# Allegro board RK3588S_Template_LP4XD200P232SD8H2_31X31_2133MHz_H1R0_V11_20220218YWQ.brd (continued)
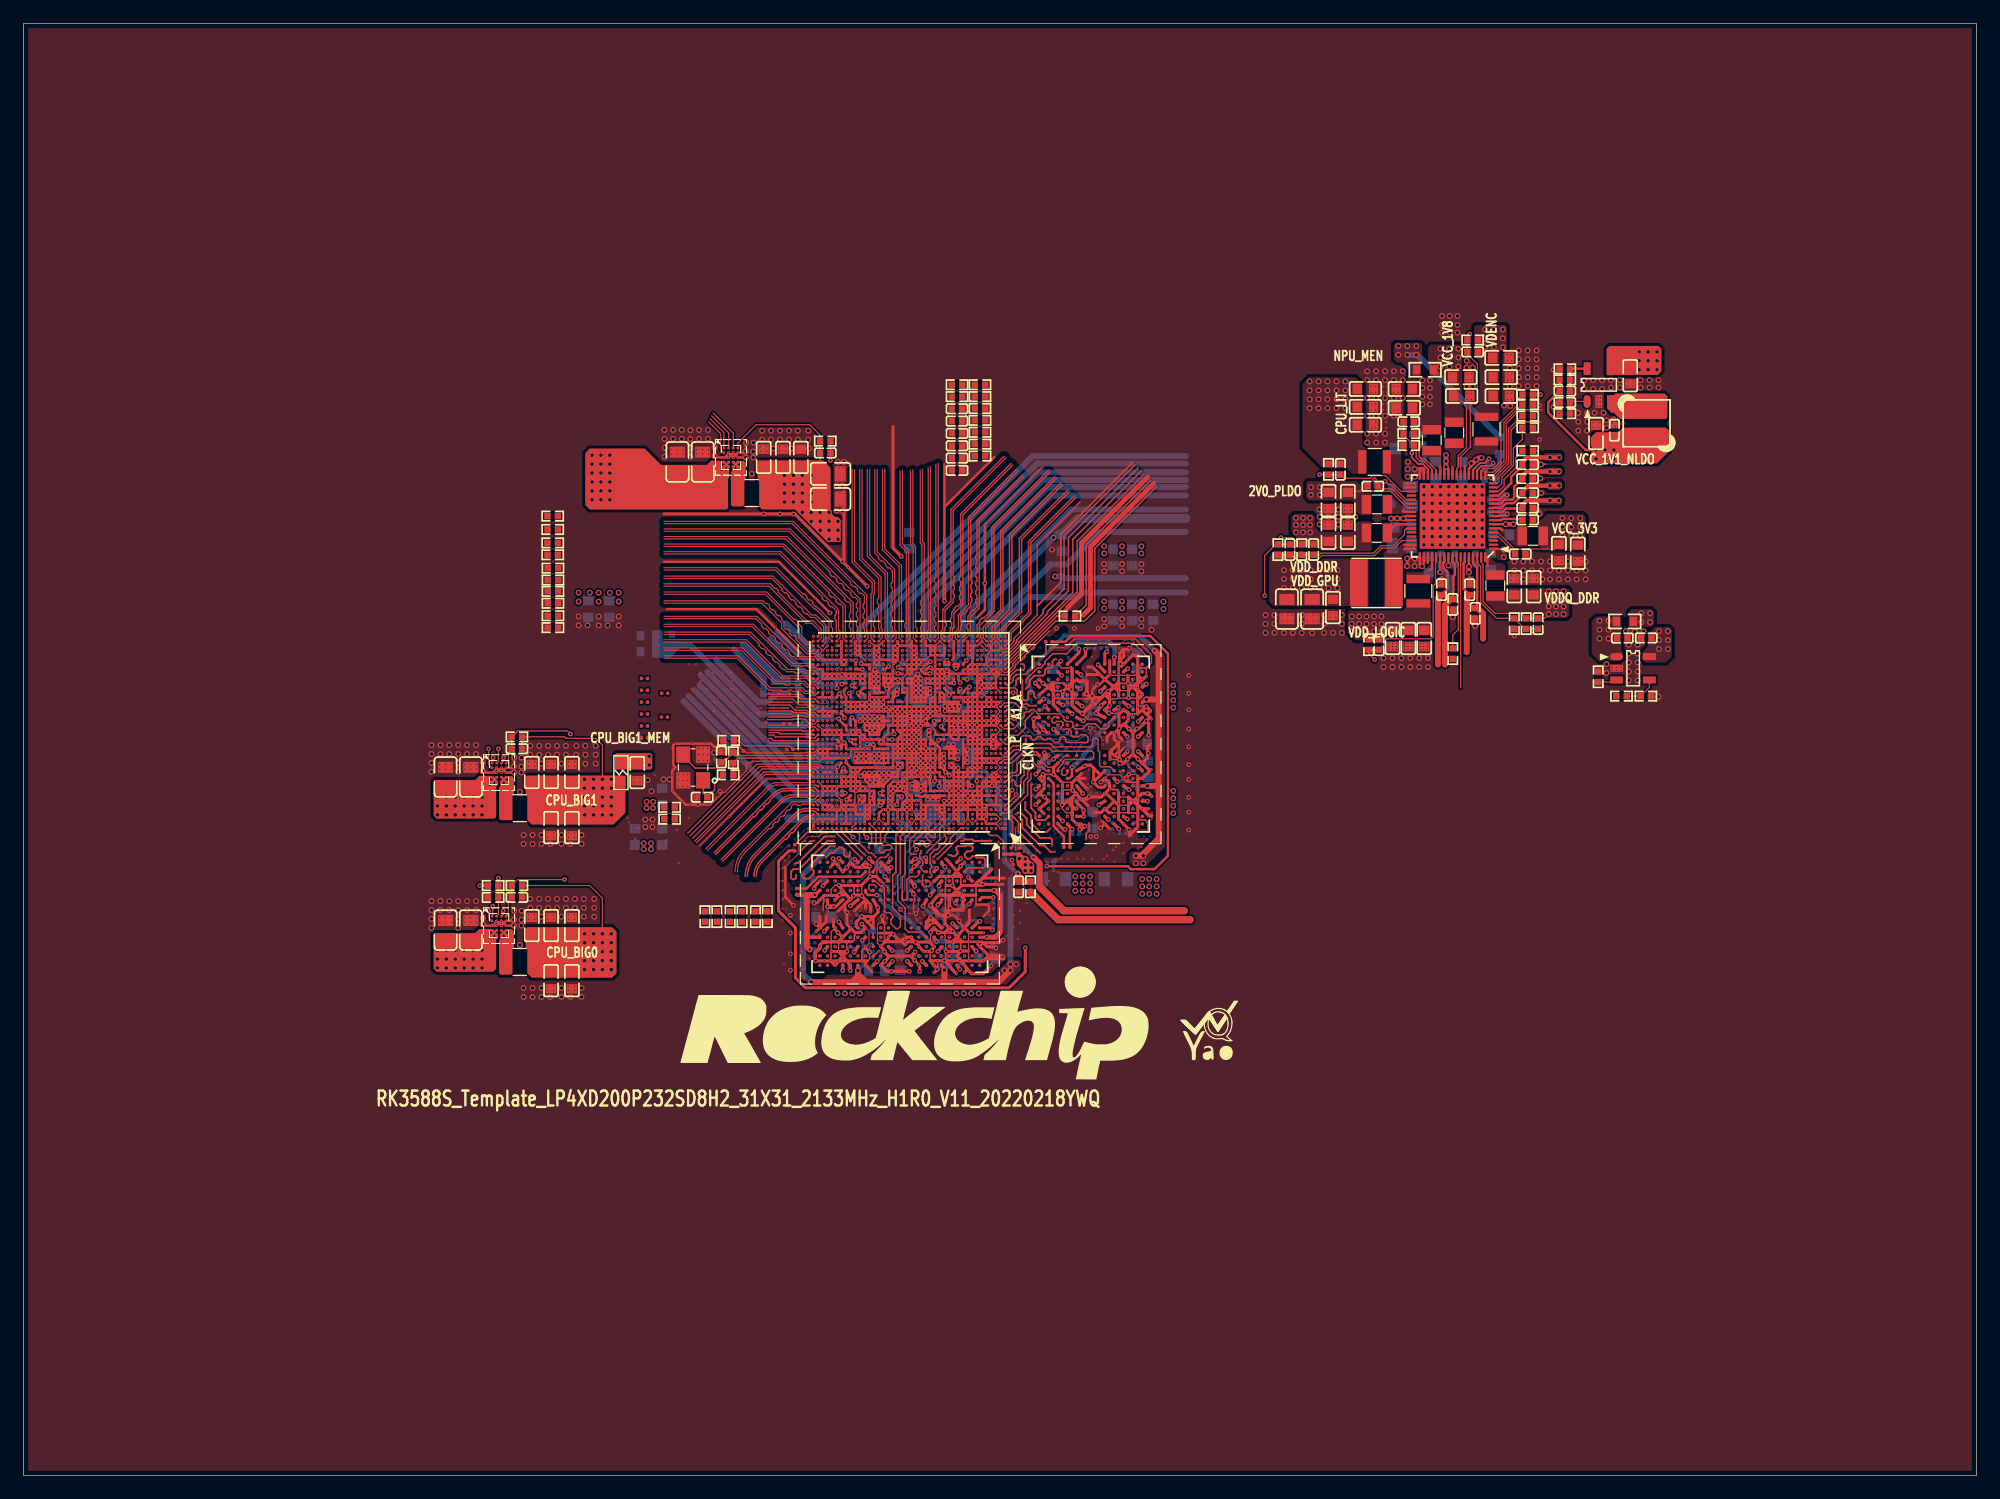
[diagram p0: board, top side]
## Routing (per net, layer and track width the routed paths; a pad name or vN(x,y) marks a point on that pad's centre or on a via; arc(x,y) is an arc through that point) (continued)
  TOP w0.203: v2(81.09,64.5) v2(81.89,64.5) ; v2(81.09,64.5) v2(80.69,64.5) ; v2(81.09,64.5) v2(81.09,64.9) v2(81.09,65.3) ; v2(81.09,64.5) 81.09,64.19 ; v2(81.89,64.5) U1000.AD5 ; v2(81.89,64.5) v7(81.89,64.1) ; v2(81.89,64.5) v7(81.89,64.9) ; v2(71.89,68.1) v2(71.49,68.1) v2(71.09,68.1) ; v2(71.89,68.1) v2(71.89,68.5) v2(71.49,68.5) ; v2(71.89,68.1) v7(71.89,67.7) v7(71.49,67.7) v2(71.49,68.5) ; v7(67.49,55.7) v7(67.49,55.3) ; v7(75.49,63.3) v7(75.49,62.9) ; v7(75.49,63.3) v1(75.89,63.3) ; v7(75.49,63.3) v2(75.09,63.3) ; v7(75.49,63.3) v7(75.49,63.7) ; v7(75.49,62.9) v7(75.49,62.5) ; v7(75.49,62.9) v1(76.29,62.9) ; v7(75.49,62.9) v7(75.09,62.9) ; v7(75.09,61.7) v7(75.49,61.7) v7(75.89,61.7) ; v7(75.09,61.7) v7(75.09,61.3) ; v7(75.09,61.7) v7(74.69,61.7) ; v7(75.09,61.7) v7(75.09,62.1) ; 81.49,63.15 v2(81.49,63.3) ; 81.49,63.15 v1(81.33,62.99) 81.09,63.23 ; 81.49,63.15 v7(81.49,62.5) ; v2(81.49,63.3) v2(81.89,63.3) ; v2(81.49,63.3) v2(81.09,63.3) ; v2(81.49,63.3) v2(81.49,63.7) ; v2(75.89,57.7) v2(75.89,57.3) ; v2(75.89,57.7) v2(76.29,57.7) 76.67,57.7 v2(76.69,57.67) v2(76.69,57.3) ; v2(75.89,57.7) v2(75.49,57.7) ; v2(75.89,57.7) v7(75.89,58.1) v2(75.49,58.1) ; v2(75.89,57.3) 75.52,57.3 v1(75.51,57.3) 75.51,57.3 v2(75.09,57.3) ; v2(75.89,57.3) v2(75.89,56.9) v2(75.09,56.9) ; 69.93,63.3 69.89,63.33 ; 69.93,63.3 v7(70.69,63.3) ; 69.93,63.3 v2(69.49,63.3) ; 69.89,63.33 69.89,62.95 v2(69.89,62.95) ; 69.89,63.33 v7(69.89,63.7) v2(69.49,63.7) ; v1(76.66,64.03) 76.64,64.05 v1(76.26,64.05) ; v1(76.66,64.03) 76.69,64.07 ; v1(76.66,64.03) 76.66,63.73 v2(76.69,63.7) ; v7(74.69,59.3) 74.29,59.3 v7(73.89,58.9) ; v7(74.69,59.3) 74.69,58.96 ; v7(74.69,59.3) v2(75.09,59.3) ; 73.48,62.5 v7(73.14,62.5) 73.09,62.54 v7(73.09,62.9) ; 73.48,62.5 v2(73.89,62.5) v2(74.69,62.5) ; 73.48,62.5 v7(73.49,62.51) v2(73.49,62.9) ; v7(81.49,62.5) v7(82.29,62.5) ; v7(81.49,62.5) v7(81.09,62.5) ; v7(81.49,62.5) v7(81.49,62.1) ; v7(82.29,62.5) v2(82.29,62.9) ; v7(82.29,62.5) 82.84,62.5 82.86,62.53 v1(82.87,62.53) 82.9,62.5 v2(83.49,62.5) ; v7(70.29,55.7) v7(70.29,56.1) 70.29,56.1 v2(70.29,56.48) 70.29,56.48 v7(70.29,56.9) ; v7(70.29,55.7) v7(70.69,55.7) ; v7(70.29,55.7) v7(69.89,55.7) ; 71.45,66.1 v7(71.09,66.1) 71.07,66.1 ; 71.45,66.1 71.96,66.1 ; 71.45,66.1 71.49,66.06 71.49,65.8 ; v2(71.09,65.3) v2(71.09,65.7) ; v2(71.09,65.3) v2(71.49,65.3) ; v2(71.09,65.3) v2(70.69,65.3) ; v2(71.09,65.7) 71.09,66.08 71.07,66.1 ; v2(71.09,65.7) v2(70.69,65.7) ; v2(71.09,65.7) v2(71.49,65.7) ; v7(77.09,69.7) v7(76.69,69.7) ; v7(76.69,69.7) v7(76.69,69.3) v2(76.29,69.3) ; v7(76.69,69.7) v7(75.89,69.7) ; v7(77.09,60.5) v2(77.09,60.1) ; v7(77.09,60.5) v7(77.49,60.5) ; v7(77.09,60.5) 77.09,60.86 v1(77.06,60.88) ; v7(77.09,60.5) v7(76.69,60.5) ; v2(77.09,60.1) 76.73,60.1 v2(76.71,60.12) ; v2(77.09,60.1) v2(77.49,60.1) ; v2(77.09,60.1) v7(77.09,59.7) ; v7(75.49,63.7) v2(75.89,63.7) ; v7(75.49,63.7) v2(75.09,63.7) ; v7(75.49,63.7) v7(75.49,64.1) ; v2(75.89,63.7) v1(75.89,63.3) ; v2(75.89,63.7) v2(76.29,63.7) ; v2(75.89,63.7) 75.89,64.01 ; v2(72.29,58.5) v2(72.69,58.5) v2(72.69,58.1) ; v2(72.29,58.5) v7(71.89,58.5) ; v2(72.29,58.5) 72.29,57.96 v1(72.38,57.88) ; v1(75.89,63.3) v1(75.89,62.9) v1(75.89,62.5) ; v1(75.89,63.3) v1(76.29,63.3) ; v7(72.29,66.9) v2(72.29,66.5) ; v2(72.29,66.5) v7(72.29,65.3) ; v2(72.29,66.5) v2(72.69,66.5) ; v2(79.89,58.9) v2(79.49,58.9) v2(79.09,58.9) ; v2(79.89,58.9) v2(80.29,58.9) ; v2(79.89,58.9) v2(79.89,59.3) ; v2(79.89,58.9) v1(79.89,58.5) ; v2(74.29,65.7) 74.23,65.63 v1(73.96,65.63) ; v2(74.29,65.7) 74.29,65.33 v1(74.27,65.3) ; v2(74.29,65.7) v2(74.69,65.7) ; 82.23,56.16 82.16,56.1 U1000.C6 ; 82.23,56.16 82.23,55.77 U1000.B5 82.29,55.7 v2(83.1,55.7) ; 82.23,56.16 82.3,56.23 v2(82.3,56.5) v2(82.3,56.9) ; v2(71.49,65.7) v2(71.89,65.7) ; v2(71.49,65.7) 71.49,65.8 ; v2(71.49,65.7) v2(71.49,65.3) ; v2(71.89,65.7) 71.89,65.78 ; v2(71.89,65.7) v7(71.89,65.3) ; v2(71.89,65.7) 72.22,65.7 v1(72.26,65.66) ; v7(81.89,62.1) v2(81.89,61.7) ; v7(81.89,62.1) v7(81.49,62.1) ; v7(81.89,62.1) v7(81.89,62.9) ; v2(81.89,61.7) v2(81.49,61.7) ; v2(81.89,61.7) v7(81.89,60.5) v2(81.49,60.5) ; v7(76.69,56.1) v7(76.69,55.7) ; v7(76.69,56.1) v7(76.69,56.5) ; v7(76.69,56.1) v2(76.29,56.1) 76.29,56.42 76.37,56.5 v7(76.69,56.5) ; v7(76.69,56.1) v7(77.09,56.1) v7(77.09,56.5) ; v2(93.19,67.37) 93.19,67.48 93.47,67.76 93.58,67.76 93.48,67.66 ; v7(80.69,56.1) v2(80.69,56.9) v2(80.69,57.3) ; v2(81.49,60.5) v2(81.49,61.3) ; v2(81.49,60.5) v2(81.49,60.1) U1000.N9 ; v2(81.49,60.5) v2(81.09,60.5) ; v1(80.01,64.16) 79.89,64.04 v2(79.89,63.7) ; v1(80.01,64.16) 79.89,64.28 v2(79.89,64.5) ; v1(80.01,64.16) v1(79.6,64.16) ; v1(80.01,64.16) 80.37,64.16 ; 80.37,64.16 80.29,64.24 v2(80.29,64.5) ; 80.37,64.16 v1(80.42,64.11) ; v7(80.69,70.5) v2(80.69,70.1) v2(81.09,70.1) ; v7(80.69,70.5) v7(80.69,70.9) ; v7(80.69,70.5) v7(81.09,70.5) ; v2(80.29,58.5) v2(80.29,58.9) ; v2(80.29,58.5) v1(79.89,58.5) ; v2(80.29,58.5) v2(80.29,57.7) ; v2(80.29,58.5) v2(80.69,58.5) ; v2(80.29,58.9) v2(80.29,59.3) ; v2(78.29,68.5) v2(78.29,68.1) v7(78.29,67.7) ; v2(78.29,68.5) v2(77.89,68.5) ; v2(78.29,68.5) v2(78.29,68.9) ; v2(78.29,68.5) v2(79.49,68.5) v2(79.89,68.5) ; v7(76.69,60.5) v7(75.49,60.5) 75.49,60.5 ; v7(76.69,60.5) 76.69,60.14 v2(76.71,60.12) ; v7(76.69,60.5) 76.66,60.53 v1(76.66,60.86) ; v7(76.69,60.5) 76.64,60.45 v1(76.3,60.45) ; 71.45,58.5 71.49,58.54 v2(71.49,58.9) ; 71.45,58.5 71.19,58.5 v1(71.15,58.53) ; 71.45,58.5 71.91,58.5 71.91,58.88 v2(71.89,58.9) v2(71.49,58.9) ; v2(81.49,61.3) v2(81.49,61.7) ; v2(81.49,61.3) 81.13,61.3 81.09,61.26 ; v2(81.49,61.3) 81.5,61.29 v7(83.5,61.29) ; v2(81.49,61.7) v7(81.49,62.1) ; v2(81.49,61.7) v2(81.09,61.7) ; v7(71.09,68.5) v2(71.49,68.5) ; v7(71.09,68.5) v2(71.09,68.1) ; v7(71.09,68.5) v7(70.69,68.5) ; v7(83.06,59.69) v7(82.76,59.69) ; v7(83.06,59.69) 83.06,59.33 v7(83.09,59.3) 83.09,58.9 U1000.K3 ; v7(83.06,59.69) 83.07,59.7 ; v7(82.76,59.69) 82.3,59.69 v7(82.29,59.7) v2(82.29,59.3) ; v7(82.76,59.69) v7(82.76,59.31) 82.76,58.95 v1(82.76,58.95) ; v7(82.76,59.69) v3(82.76,60.06) v2(83.09,60.06) 83.09,59.72 83.07,59.7 ; v7(75.49,64.1) v7(75.09,64.1) ; v7(75.49,64.1) 75.8,64.1 v1(75.85,64.05) ; v7(75.49,64.1) U1000.AD22 ; v7(75.09,64.1) v2(75.09,63.7) ; v7(75.09,64.1) v7(75.09,64.5) ; v7(75.09,64.1) v7(74.69,64.1) ; v7(82.3,61.3) v2(82.3,60.9) ; 80.69,63.22 v2(80.69,63.3) ; 80.69,63.22 v7(80.69,62.5) v7(81.09,62.5) ; 80.69,63.22 v1(80.91,63.01) ; v2(80.69,63.3) v2(80.69,63.7) ; v2(80.69,63.3) v2(81.09,63.3) ; v2(80.69,63.3) v2(80.29,63.3) ; 73.89,67.13 73.89,68.47 73.86,68.5 ; 73.89,67.13 73.79,67.23 v1(73.77,67.23) 73.77,67.25 73.49,67.53 U1000.AM27 ; 73.89,67.13 74.29,67.53 v2(74.29,67.7) ; 73.89,67.13 v2(73.89,66.9) v2(73.89,66.5) v2(73.49,66.5) ; v1(74.27,65.3) 74.27,64.92 v2(74.29,64.9) ; v1(74.27,65.3) 74.65,65.3 v1(74.68,65.28) ; v1(74.27,65.3) 74.27,65.3 v7(73.89,65.3) ; v2(74.29,69.7) v2(73.09,69.7) ; v2(74.29,69.7) v7(74.29,70.1) ; v2(74.29,69.7) 74.68,69.7 ; v2(74.29,69.7) 74.29,69.47 v2(74.37,69.39) 74.68,69.7 ; v2(73.09,69.7) 73.09,70.21 ; v2(73.09,69.7) 73.1,69.69 v2(73.1,69.27) 72.73,69.27 v2(72.69,69.3) v7(72.69,69.7) ; v2(73.09,69.7) v7(72.69,69.7) ; v2(79.89,59.3) v2(79.49,59.3) v2(79.09,59.3) ; v2(79.89,59.3) v2(79.89,60.1) ; v2(79.89,59.3) v2(80.29,59.3) ; v7(82.69,65.7) v7(83.09,65.7) v7(83.09,66.1) ; v7(82.69,65.7) v7(82.69,66.1) ; v7(82.69,65.7) v7(82.29,65.7) ; v7(74.29,70.1) 74.64,70.1 v7(74.69,70.15) ; v7(74.29,70.1) v7(74.29,70.5) ; v2(70.69,65.3) v2(70.29,65.3) v2(70.29,65.7) ; v2(70.69,65.3) v2(70.69,65.7) ; v7(76.69,65.3) v7(76.29,65.3) ; v7(76.69,65.3) U1000.AE19 ; v7(76.69,65.3) v2(76.69,65.7) ; v7(76.69,65.3) v1(77.09,65.3) ; v7(76.29,65.3) v2(75.89,65.3) ; v7(76.29,65.3) v2(76.29,64.9) ; v7(76.29,65.3) v2(76.29,65.7) ; v7(80.69,66.15) 80.64,66.1 v7(80.29,66.1) v2(80.29,66.5) ; v7(80.69,66.15) v2(80.69,66.5) ; v7(80.69,66.15) U1000.AH9 v2(80.69,65.3) ; v7(80.69,66.15) 80.74,66.1 v7(81.09,66.1) ; 79.1,58.51 79.09,58.5 v2(78.69,58.5) ; 79.1,58.51 v1(79.13,58.54) ; 79.1,58.51 79.1,58.09 ; v2(70.69,59.7) v2(70.69,59.3) ; v2(70.69,59.7) v2(70.69,60.1) ; v2(70.69,59.7) v2(70.29,59.7) ; v2(70.69,59.7) v2(71.09,59.7) ; v2(70.69,59.3) v2(70.29,59.3) ; v2(70.69,59.3) v2(71.09,59.3) ; v2(70.69,59.3) v2(70.69,58.9) ; v2(71.89,62.9) v2(72.29,62.9) v2(73.49,62.9) ; v2(71.89,62.9) v2(71.89,63.3) 71.07,63.3 ; v2(71.89,62.9) v2(71.49,62.9) ; 71.07,66.1 v7(70.69,66.1) ; v1(78.99,47.87) v2(79.5,47.87) v1(79.96,47.42) 79.96,47.24 v7(80.4,46.8) ; v1(73.96,65.63) 73.53,65.63 v1(73.51,65.66) ; v1(73.96,65.63) 73.96,65.37 v7(73.89,65.3) ; v7(68.29,62.1) v7(68.69,62.1) ; v7(68.29,62.1) v7(67.89,62.1) v7(67.89,61.7) v7(68.29,61.7) ; v7(68.29,62.1) v7(68.29,61.7) ; v7(68.69,62.1) v7(69.09,62.1) ; v7(68.69,62.1) v7(68.69,61.7) ; v2(79.89,56.5) 79.89,56.89 v7(79.88,56.9) ; v2(79.89,56.5) v2(79.89,56.1) ; v2(79.89,56.5) v7(79.49,56.5) ; v7(69.09,68.5) v7(69.09,68.1) ; v7(69.09,68.5) v7(68.69,68.5) ; v7(69.09,68.5) v7(69.49,68.5) ; v7(69.09,68.1) v2(69.49,68.1) ; v7(69.09,68.1) v7(68.69,68.1) ; v7(72.29,65.3) v7(71.89,65.3) ; v7(72.29,65.3) v7(72.69,65.3) ; v7(71.89,65.3) v2(71.49,65.3) ; v2(80.69,64.9) v2(81.49,64.9) ; v2(80.69,64.9) v2(80.29,64.9) ; v2(80.69,64.9) v2(80.69,65.3) ; v2(80.69,64.9) v2(80.69,64.5) ; v2(81.49,64.9) 81.49,64.18 ; v2(81.49,64.9) v7(81.89,64.9) ; v2(81.49,64.9) v2(81.49,65.3) ; v7(76.69,56.9) v7(76.69,56.5) ; v7(76.69,56.9) v7(77.09,56.9) ; v7(76.69,56.9) v2(76.69,57.3) ; v7(76.69,56.5) v7(77.09,56.5) ; v2(74.29,57.7) 73.92,57.7 v2(73.89,57.67) v7(73.89,57.33) ; v2(74.29,57.7) v2(74.29,58.1) ; v2(74.29,57.7) 74.22,57.63 v7(74.22,57.33) ; v1(79.1,57.66) 79.45,57.66 v7(79.49,57.7) v2(79.88,57.7) ; v1(79.1,57.66) 79.1,58.09 ; v1(79.1,57.66) v1(78.66,57.66) 78.69,57.63 v2(78.69,57.3) ; v1(79.1,57.66) 79.1,57.3 v2(79.09,57.3) ; v7(70.29,56.9) 69.93,56.9 ; v7(70.29,56.9) v2(70.29,57.3) ; v7(70.29,56.9) v2(70.69,56.9) v2(71.09,56.9) ; 69.93,56.9 v7(69.89,56.9) v2(69.49,56.9) ; 69.93,56.9 69.89,56.93 v2(69.89,57.3) ; v7(74.69,64.1) v7(74.69,64.5) ; v7(74.69,64.1) v7(74.29,64.1) ; v7(74.69,64.1) v2(74.69,63.7) ; v7(74.69,64.5) v7(75.09,64.5) ; v7(74.69,64.5) v2(74.69,64.9) ; v7(74.69,64.5) v7(74.29,64.5) ; v2(77.09,64.1) 77.06,64.13 v1(77.06,64.47) ; v2(77.09,64.1) 77.43,64.1 ; v2(77.09,64.1) 76.72,64.1 76.69,64.07 ; v1(76.66,61.26) v1(76.66,61.67) 76.69,61.71 U1000.V19 ; v1(76.66,61.26) v1(76.66,60.86) ; v1(76.66,61.26) 76.69,61.3 v2(77.09,61.3) ; v1(76.66,61.26) 76.62,61.3 v2(76.29,61.3) ; v1(130.68,91.31) 131.06,91.69 C2329.2 ; v2(80.29,64.9) v2(79.89,64.9) ; v2(80.29,64.9) v2(80.29,64.5) ; v2(80.29,64.9) v2(80.29,65.3) v2(80.69,65.3) ; v2(73.49,62.9) 73.49,63.1 73.7,63.3 v2(73.89,63.3) v7(73.89,64.1) v7(74.29,64.1) ; v7(80.69,68.9) v7(81.15,68.9) v7(81.48,68.9) 81.49,68.88 ; v7(80.69,68.9) v2(80.69,68.5) ; v7(80.69,68.9) v7(80.37,68.9) 80.29,68.82 v2(80.29,68.5) ; v7(80.69,68.9) 80.69,69.1 80.9,69.3 v2(81.09,69.3) ; v7(81.09,70.5) v7(81.09,70.9) ; v7(81.09,70.5) v2(81.09,70.1) ; v7(81.09,70.9) v7(81.49,70.9) ; v7(81.09,70.9) v7(80.69,70.9) ; v2(76.29,63.7) 76.26,63.74 v1(76.26,64.05) ; v2(76.29,63.7) v2(76.69,63.7) ; v2(76.29,63.7) v1(76.29,63.3) ; U1000.AH7 v2(81.49,65.7) ; U1000.AH7 v2(81.86,66.1) ; U1000.AH7 v7(81.09,66.1) ; U1000.AH7 U1000.AJ7 ; v2(81.49,65.7) v2(81.09,65.7) ; v2(81.49,65.7) v2(81.49,65.3) ; v2(81.49,65.7) v2(81.89,65.7) ; v1(75.74,64.47) 75.78,64.5 v7(76.29,64.5) ; v1(75.74,64.47) 75.85,64.36 v1(75.85,64.05) ; v1(75.74,64.47) 75.71,64.5 U1000.AD22 ; v7(77.09,61.7) 77.11,61.72 v1(77.11,62.13) ; v7(77.09,61.7) U1000.U20 ; v7(77.09,61.7) v2(77.09,61.3) ; v7(77.09,61.7) v7(77.49,61.7) ; v7(77.09,56.9) v7(77.09,56.5) ; v7(77.09,56.9) 77.09,57.28 ; v2(75.09,57.3) 75.09,57.41 75.38,57.7 v2(75.49,57.7) ; v2(75.09,57.3) v2(75.09,56.9) ; v2(81.89,57.7) 81.89,57.7 v7(81.89,59.31) ; v2(81.89,57.7) v2(81.09,57.7) ; v2(81.89,57.7) v2(81.89,56.9) v2(81.89,56.5) U1000.C6 ; 72.29,57.3 v7(72.26,57.3) v2(71.89,57.3) v2(71.89,56.9) ; 72.29,57.3 72.29,57.79 v1(72.38,57.88) ; 72.29,57.3 v7(72.29,56.5) ; 72.29,57.3 v2(72.69,57.3) v2(72.69,57.7) ; v7(77.49,60.5) v7(77.89,60.5) ; v7(77.49,60.5) v2(77.49,60.1) ; v7(77.49,60.5) v1(77.49,60.9) ; v7(77.89,60.5) v2(77.89,60.1) ; v7(77.89,60.5) v7(77.89,60.9) ; v2(70.69,65.7) 70.69,66.1 v7(70.69,66.1) ; v2(70.69,65.7) v2(70.29,65.7) ; v2(71.09,58.9) 71.09,58.59 v1(71.15,58.53) ; v2(71.09,58.9) v2(71.49,58.9) ; v2(71.09,58.9) v2(71.09,59.3) ; v2(71.09,58.9) v2(70.69,58.9) ; v7(72.29,56.5) v7(71.89,56.5) ; v7(72.29,56.5) v7(72.29,56.1) v7(71.93,56.1) 71.89,56.06 ; v7(71.89,56.5) 71.13,56.5 71.09,56.54 v2(71.09,56.9) ; v7(71.89,56.5) 71.89,56.06 ; v7(71.89,56.5) v2(71.89,56.9) ; U1000.V19 77.09,62.1 v1(77.11,62.13) ; U1000.V19 76.67,62.08 v1(76.3,62.08) ; U1000.V19 v2(76.69,62.5) ; v7(74.29,64.5) v2(74.29,64.9) ; v7(74.29,64.5) v7(74.29,64.1) ; v2(74.29,64.9) v2(74.69,64.9) ; v2(74.29,64.9) v2(73.89,64.9) v7(73.89,65.3) ; v7(75.09,58.9) 74.75,58.9 v1(74.73,58.93) 74.69,58.96 ; v7(75.09,58.9) 75.09,58.66 v1(75.18,58.57) ; v7(75.09,58.9) v2(75.09,59.3) ; v7(75.09,58.9) v7(75.49,58.9) ; v7(75.09,58.9) v2(74.29,58.9) ; v2(71.49,62.9) v7(71.49,62.48) v2(71.49,62.1) ; v2(71.49,62.9) v2(71.49,63.7) v2(71.09,63.7) ; v1(77.06,64.87) 77.09,64.9 v1(77.49,64.9) ; v1(77.06,64.87) v1(77.06,64.47) ; v1(77.06,64.87) 77.04,64.9 U1000.AE19 ; v7(77.49,62.1) 77.14,62.1 v1(77.11,62.13) ; v7(77.49,62.1) v7(77.49,61.7) ; v7(77.49,62.1) v2(77.89,62.1) v7(77.89,61.7) ; v2(77.49,68.1) v2(78.69,68.1) ; v2(77.49,68.1) v2(77.49,67.7) ; v2(77.49,68.1) v7(77.09,68.1) v7(77.09,67.7) v2(77.49,67.7) ; v2(78.69,68.1) v2(78.69,67.7) v7(78.29,67.7) ; v2(78.69,68.1) v2(78.69,68.88) 78.67,68.9 ; v2(78.69,68.1) v2(79.09,68.1) 79.09,68.86 v2(79.06,68.9) 78.67,68.9 ; v2(78.29,64.9) 78.29,65.14 v1(78.21,65.22) ; v2(81.09,60.5) v7(80.69,60.5) U1000.N9 ; v2(81.09,60.5) v2(81.09,59.7) v2(80.69,59.7) ; v2(81.09,60.5) v2(81.09,60.9) ; v2(73.09,66.5) v2(72.69,66.5) ; v2(73.09,66.5) v2(73.49,66.5) ; v2(73.09,66.5) v2(73.09,66.1) ; v2(72.69,66.5) v2(72.69,66.13) U1000.AH29 ; v2(80.29,56.9) 80.29,56.9 v2(82.3,56.9) ; v2(80.29,56.9) 79.89,56.9 v7(79.88,56.9) ; v2(80.29,56.9) v2(80.29,57.3) ; v7(68.05,49.2) 68.05,49.18 67.82,48.94 v1(67.56,48.94) ; v2(61.47,61.82) 61.53,61.88 61.53,61.99 ; v2(69.89,59.3) v2(70.29,59.3) ; v2(69.89,59.3) 69.89,58.93 v2(69.92,58.9) ; v2(69.89,59.3) v2(69.89,59.7) v2(70.29,59.7) ; v2(70.29,59.3) v2(70.29,59.7) ; v2(70.29,59.3) v2(70.29,58.9) ; v1(77.06,60.88) 77.09,60.91 v2(77.09,61.3) ; v1(77.06,60.88) 77.04,60.86 v1(76.66,60.86) ; v1(77.06,60.88) 77.48,60.88 v1(77.49,60.9) ; v2(73.49,66.5) v7(73.49,65.3) ; v2(74.69,62.9) v7(75.09,62.9) ; v2(74.69,62.9) 74.69,62.98 75.01,63.3 v2(75.09,63.3) ; v2(74.69,62.9) v2(74.69,62.5) ; v7(75.09,62.9) v7(75.09,62.5) ; v7(75.09,62.9) v2(75.09,63.3) ; v7(82.68,64.52) v7(82.31,64.52) U1000.AD5 ; v7(82.68,64.52) v2(83.08,64.52) U1000.AD3 ; v7(82.68,64.52) 82.69,64.5 v7(82.69,64.1) ; v7(82.68,64.52) 82.68,64.87 v7(82.69,64.89) 82.73,64.92 v2(83.08,64.92) 83.09,64.91 U1000.AD3 ; v1(76.3,62.08) 76.29,62.09 v1(76.29,62.5) ; v1(76.3,62.08) v1(75.9,62.08) ; v1(76.3,62.08) 76.3,61.71 U1000.U20 ; 77.43,64.1 v2(77.49,64.1) ; 77.43,64.1 v1(77.06,64.47) ; 80.34,60.1 80.29,60.05 v2(80.29,59.7) ; 80.34,60.1 v2(79.89,60.1) ; 80.34,60.1 U1000.N9 ; U1000.AU4 v2(83.09,69.7) v2(83.49,69.7) v7(83.49,69.3) ; v2(79.49,64.9) v2(79.49,64.5) ; v2(79.49,64.9) v2(79.09,64.9) ; v2(79.49,64.9) v2(79.89,64.9) ; v2(79.49,64.5) v2(79.09,64.5) ; v2(79.49,64.5) 79.49,64.27 ; v2(79.49,64.5) v2(79.89,64.5) ; v2(81.09,65.7) 80.7,65.7 v2(80.69,65.71) ; v2(81.09,65.7) v7(81.09,66.1) ; v2(81.09,65.7) v2(81.09,65.3) ; v2(80.69,58.5) v2(81.09,58.5) ; v2(80.69,58.5) v2(80.69,57.7) ; v2(81.09,58.5) v2(81.09,57.7) ; v2(81.09,58.5) v2(81.49,58.5) ; v7(75.49,66.9) v2(75.49,65.7) ; v7(75.49,66.9) v7(75.49,67.3) v2(75.09,67.3) ; v7(75.49,66.9) 75.09,66.9 v2(75.09,67.3) ; v2(75.49,65.7) v2(75.09,65.7) ; v2(75.49,65.7) v2(75.89,65.7) ; v2(75.49,65.7) 75.49,65.26 ; v2(79.89,68.5) v2(79.89,68.1) 79.89,67.96 80.04,67.82 v1(80.04,67.74) ; v2(79.89,68.5) v2(80.29,68.5) ; 77.49,61.33 77.47,61.3 v2(77.09,61.3) ; 77.49,61.33 U1000.T17 v1(77.49,60.9) ; 77.49,61.33 v2(77.47,61.35) 77.49,61.38 v7(77.49,61.7) ; 77.49,61.33 77.52,61.3 v2(77.89,61.3) ; v2(69.49,58.47) v2(69.49,58.1) ; v2(69.49,58.47) 69.46,58.5 v7(69.09,58.5) ; v2(69.49,58.47) 69.49,58.87 v2(69.47,58.9) v2(69.92,58.9) ; v2(71.09,63.7) v7(70.69,63.7) 70.69,63.3 v7(70.69,63.3) ; v2(71.09,63.7) 71.09,63.32 71.07,63.3 ; 74.35,58.5 v1(74.32,58.47) 74.29,58.44 ; 74.35,58.5 v7(73.89,58.5) ; 74.35,58.5 U1000.J24 ; v7(70.69,66.1) v7(70.29,66.1) ; v7(92.39,68.02) 91.95,67.58 v1(91.78,67.58) v2(91.32,67.12) v1(91.32,66.61) ; v7(68.69,57.3) v7(69.09,57.3) v2(69.09,56.9) ; v7(68.69,57.3) v7(68.29,57.3) v7(68.29,56.9) v7(68.69,56.9) ; v7(68.69,57.3) v7(68.69,56.9) ; v2(78.69,56.1) v2(78.69,56.5) ; v2(78.69,56.1) v7(78.69,55.7) ; v2(78.69,56.1) U1000.C15 v2(78.29,56.13) v2(78.29,56.5) ; v2(78.69,56.5) v2(78.29,56.5) ; v2(78.69,56.5) 78.69,56.64 ; v7(75.09,64.5) v7(75.09,64.9) ; v7(75.09,64.5) U1000.AD22 ; v7(75.09,64.9) 75.08,64.91 v1(75.08,65.25) ; v7(75.09,64.9) v2(74.69,64.9) ; v7(75.09,64.9) U1000.AE22 ; v2(80.69,59.7) v2(80.29,59.7) ; v2(80.69,59.7) U1000.N9 ; v2(80.29,59.7) v2(80.29,59.3) ; v2(80.29,59.7) v2(79.49,59.7) ; v1(75.49,62.08) 75.49,62.08 v7(75.49,62.5) ; v1(75.49,62.08) 75.47,62.1 v7(75.09,62.1) ; v1(75.49,62.08) v1(75.9,62.08) ; v1(75.49,62.08) 75.49,61.3 v2(75.49,61.3) ; v2(74.69,71.3) 74.69,70.94 ; 74.69,70.94 v1(74.66,70.9) ; 74.69,70.94 v7(74.69,70.54) ; v7(75.89,60.1) v7(75.49,60.1) ; v7(75.89,60.1) 76.35,60.1 ; v7(75.89,60.1) v7(75.89,59.7) ; v7(75.89,60.1) 75.89,60.45 v1(75.9,60.45) ; v7(75.49,60.1) v7(75.49,59.7) ; v7(75.49,60.1) 75.21,60.1 75.09,59.98 v7(75.09,59.7) ; v7(75.49,60.1) 75.49,60.5 ; v7(82.29,64.1) v7(81.89,64.1) ; v7(82.29,64.1) v7(82.69,64.1) ; v7(82.29,64.1) U1000.AD5 ; v7(81.89,64.1) 81.52,64.1 v1(81.46,64.15) ; v7(81.89,64.1) v2(81.89,63.7) ; v7(69.89,70.9) v7(69.89,70.5) v2(69.89,70.1) v7(69.89,69.7) ; v7(69.89,70.9) v7(69.89,71.3) ; v7(69.89,70.9) v7(69.49,70.9) ; v2(81.89,63.7) v2(81.49,63.7) ; v2(81.89,63.7) v2(81.89,63.3) ; v2(81.49,63.7) 81.49,64.18 ; v2(81.49,63.7) v2(81.09,63.7) ; v7(68.29,60.1) v7(68.69,60.1) v7(69.09,60.1) ; v7(68.69,61.3) v7(69.09,61.3) v7(69.49,61.3) v2(69.89,61.3) v2(70.29,61.3) v2(70.29,60.9) U1000.P34 ; v7(68.69,61.3) v7(68.69,61.7) ; v7(68.69,61.3) v7(68.29,61.3) v7(68.29,61.7) ; v2(69.92,58.9) v2(70.29,58.9) ; v2(69.92,58.9) U1000.K36 ; v2(70.29,58.9) v2(70.69,58.9) ; v7(82.29,66.1) v7(82.69,66.1) ; v7(82.29,66.1) v7(82.29,65.7) ; v7(82.29,66.1) U1000.AJ5 ; v7(82.29,66.1) v2(81.86,66.1) ; v7(82.69,66.1) 82.69,66.49 v2(82.69,66.5) v2(82.29,66.5) ; v7(82.69,66.1) v7(83.49,66.1) ; 81.49,67.99 81.71,67.77 v1(81.79,67.77) 81.86,67.7 v2(82.29,67.7) ; 81.49,67.99 81.49,67.36 ; 81.49,67.99 v2(81.49,68.1) ; v2(82.29,67.7) v2(82.29,67.3) ; v2(82.29,67.7) U1000.AM4 U1000.AL4 ; v2(82.29,59.3) U1000.L6 ; v2(82.29,59.3) U1000.L3 v7(83.49,59.3) ; v2(82.29,59.3) v7(82.29,58.94) 82.25,58.9 ; v7(73.09,70.5) 73.09,70.21 ; v7(73.09,70.5) v7(73.09,70.9) v7(72.69,70.9) v7(72.69,70.5) ; v7(73.09,70.5) v7(72.69,70.5) ; 73.09,70.21 v1(73.03,70.15) 72.98,70.1 v7(72.69,70.1) ; v7(83.09,62.91) v2(83.09,63.3) v2(82.69,63.3) v7(82.69,62.9) ; v7(83.09,62.91) U1000.Y3 v7(83.09,62.1) 82.7,62.1 v7(82.69,62.09) v7(82.69,62.9) ; v7(83.09,62.91) 83.09,62.9 v7(82.69,62.9) ; v7(79.88,56.9) 79.5,56.9 v7(79.49,56.9) ; v7(79.88,56.9) v7(79.88,57.28) ; v2(75.89,65.7) v2(76.29,65.7) ; v2(75.89,65.7) v2(75.89,65.3) ; v2(76.29,65.7) v2(76.69,65.7) ; U1000.C6 v7(81.49,56.1) U1000.D7 ; v2(77.89,66.5) 77.7,66.5 77.62,66.42 v2(77.49,66.42) v2(77.49,66.1) ; v2(77.89,66.5) v2(77.89,66.1) ; v2(77.89,66.5) U1000.AK16 v7(77.89,67.3) ; v2(75.09,65.7) 75.09,65.26 v1(75.08,65.25) ; v2(75.09,65.7) v2(74.69,65.7) ; 74.29,58.44 v2(74.29,58.1) ; 74.29,58.44 v2(74.29,58.9) ; v2(74.29,58.1) 73.9,58.1 v7(73.89,58.09) ; v2(77.89,68.5) v2(77.89,68.9) ; v2(77.89,68.5) v2(77.89,67.7) 